# Altium PCB PrintNC_GRBLHAL_Breakout.pcbdoc (part 5 of 9)
Units mm, origin at the board's own origin, x right, y up, seen from the top; angles counter-clockwise.
Board outline 100 x 100 mm, 4 copper layers (Top Layer, GND, PWR, Bottom Layer), stack 0.603 mm thick; 296 components, 213 nets, 5829 pads, 410 vias.
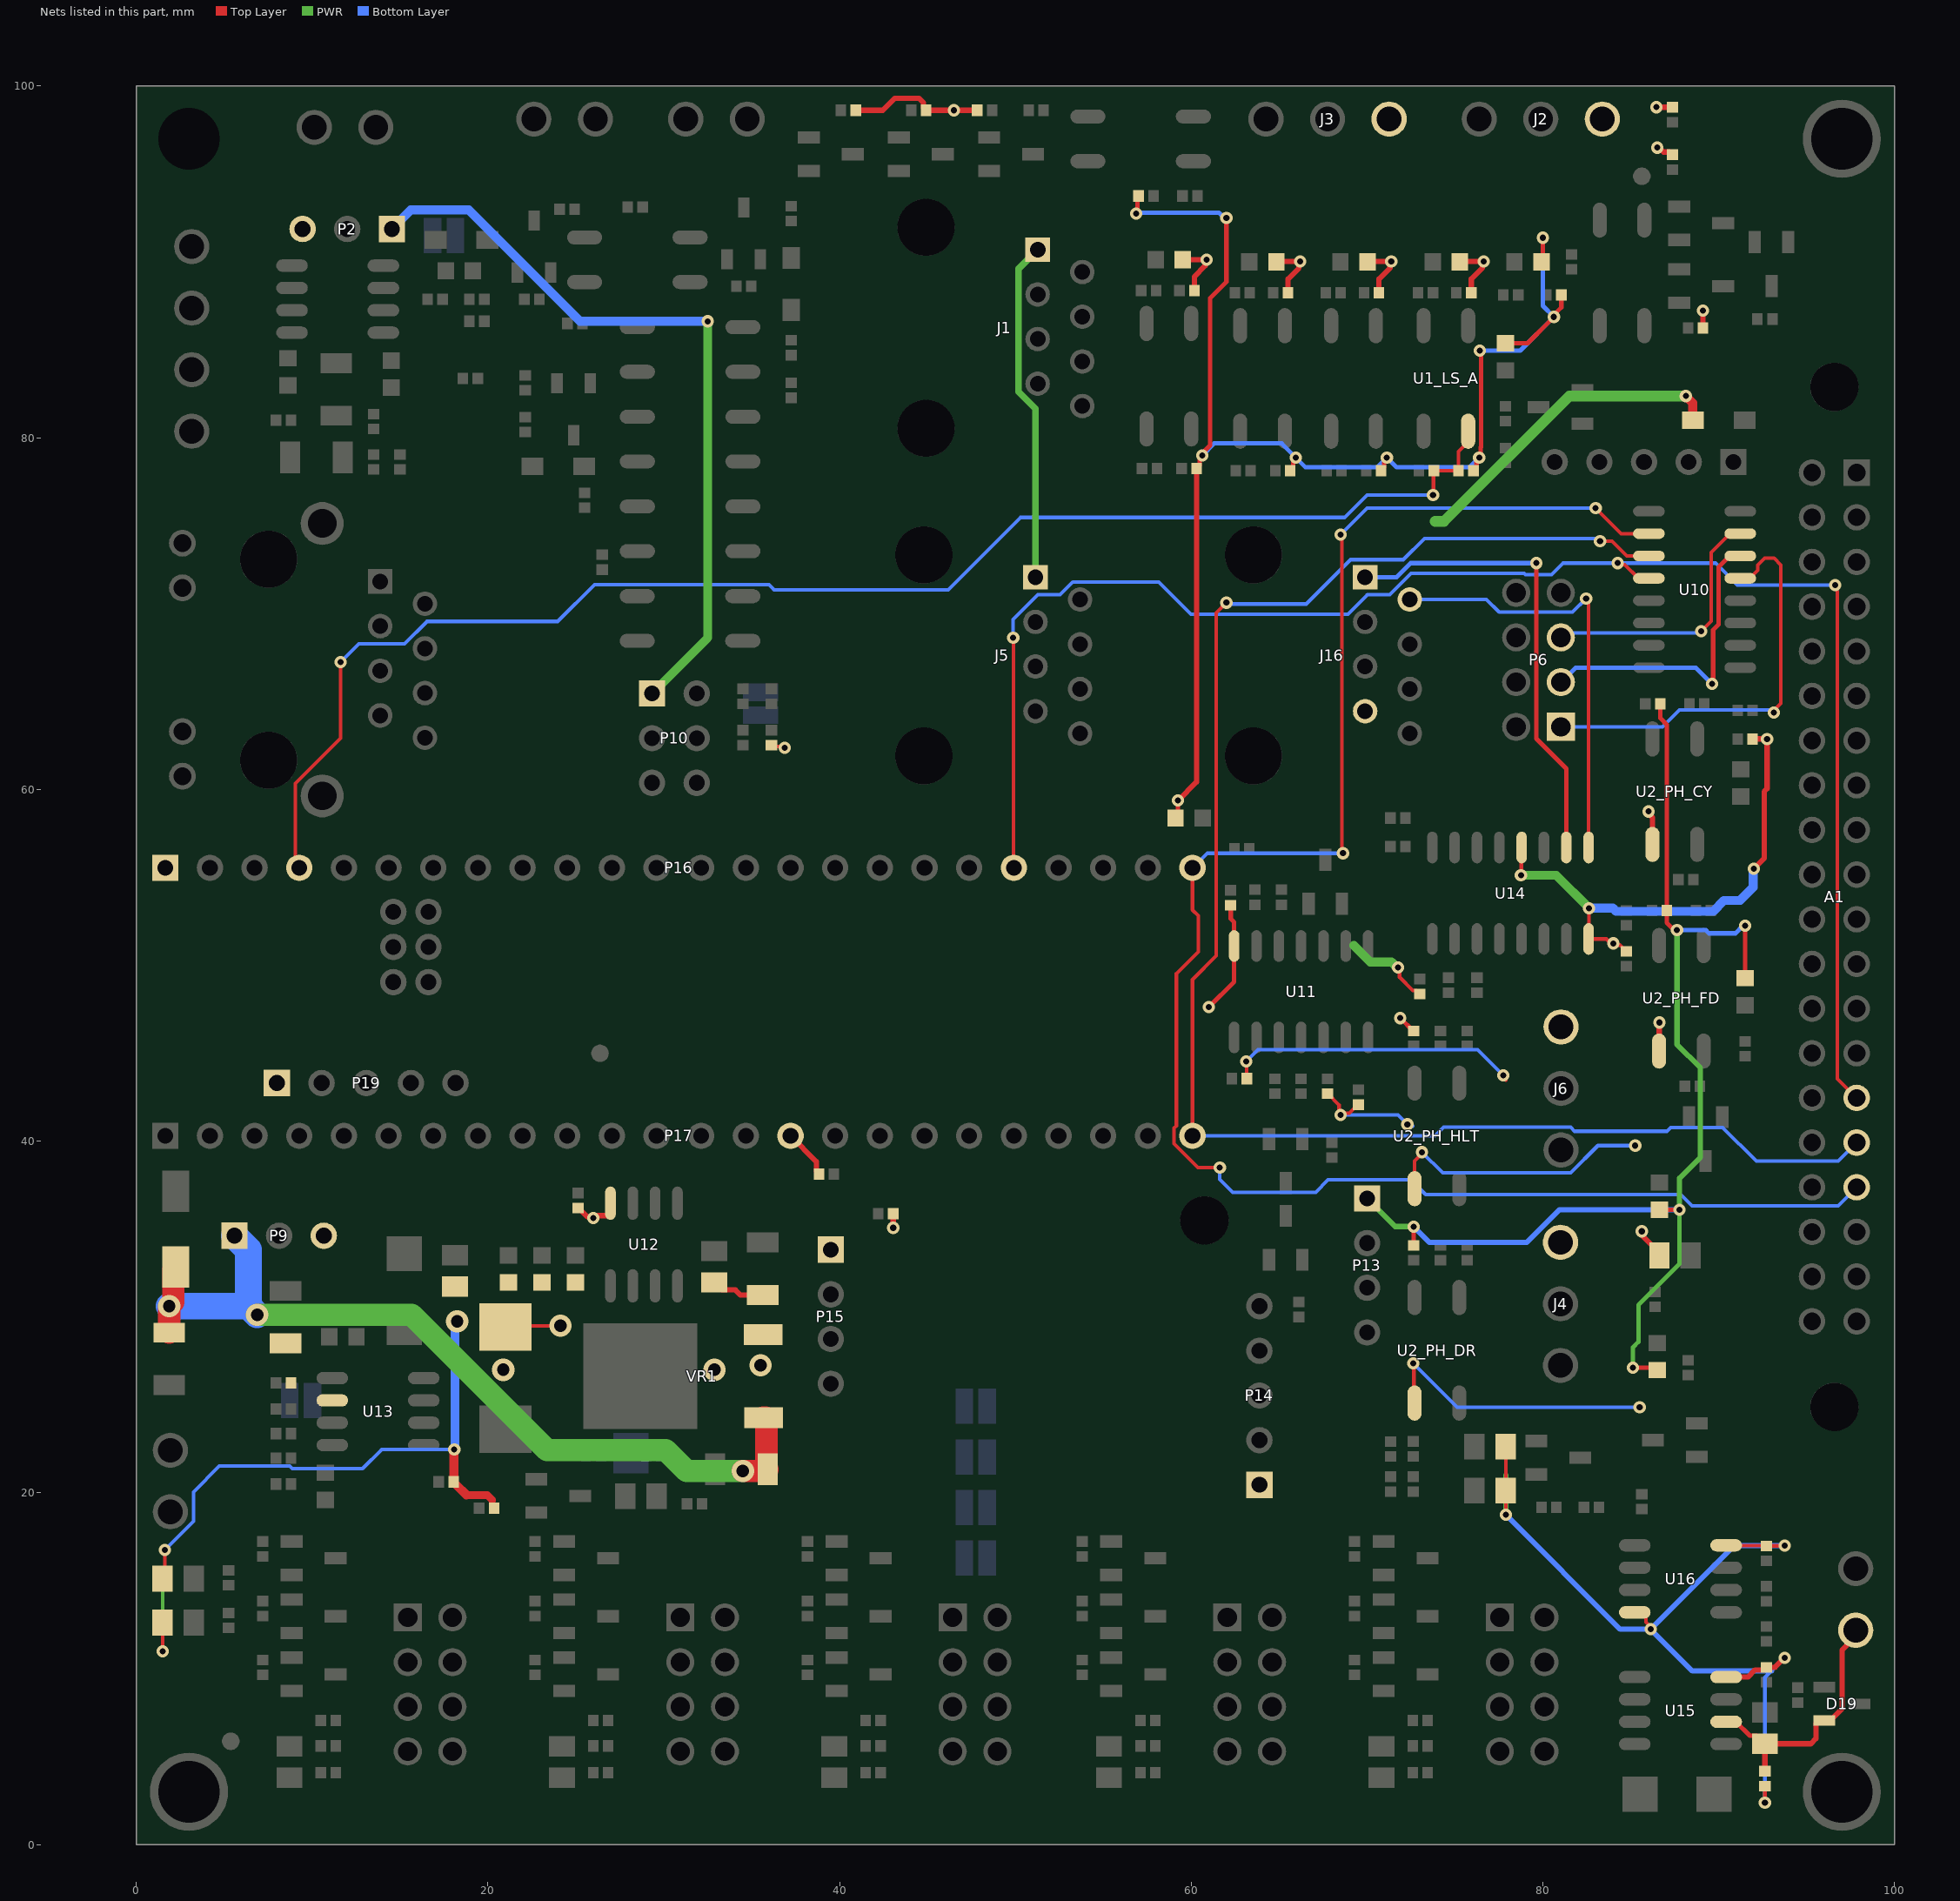
[diagram p7: the nets of this part, all layers, seen from the top]

## Footprints (in the part's own frame and the unit in brackets; to place one, negate y for a bottom-side part, rotate by r counter-clockwise, add the part's x,y. Pads: shape width x height; smd on the part's side, far side on the other; paste and mask are expansions set on the pad) (continued)
Expatria-Logo [mil] "Expatria DXF logo" (continued)
  round 1.64 on Mech4: 1_4250(-44451.82,43404.61) 1_4251(-44450.91,43405.48) 1_4252(-44453.15,43404.61) 1_4253(-44451.82,43404.61) 1_4254(-44454.93,43403.25) 1_4255(-44453.15,43404.61) 1_4256(-44456.71,43403.25) 1_4257(-44454.93,43403.25) 1_4258(-44471.49,43398.32) 1_4259(-44456.71,43403.25) 1_4260(-44473.28,43398.32) 1_4261(-44471.49,43398.32) 1_4262(-44481.31,43395.21) 1_4263(-44473.28,43398.32) 1_4264(-44506.82,43388.95) 1_4265(-44481.31,43395.21) 1_4266(-44509.51,43388.95) 1_4267(-44506.82,43388.95) 1_4268(-44517.55,43386.72) 1_4269(-44509.51,43388.95) 1_4270(-44520.24,43386.72) 1_4271(-44517.55,43386.72) 1_4272(-44525.62,43384.9) 1_4273(-44520.24,43386.72) 1_4274(-44530.97,43384.9) 1_4275(-44525.62,43384.9) 1_4276(-44539.04,43383.12) 1_4277(-44530.97,43384.9) 1_4278(-44551.55,43381.34) 1_4279(-44539.04,43383.12) 1_4280(-44556.93,43381.34) 1_4281(-44551.55,43381.34) 1_4282(-44572.14,43379.55) 1_4283(-44556.93,43381.34) 1_4284(-44577.06,43379.55) 1_4285(-44572.14,43379.55) 1_4286(-44577.06,43379.55) 1_4287(-44566.75,43378.64) 1_4288(-44589.12,43426.07) 1_4289(-44575.25,43426.97) 1_4290(-44575.25,43426.97) 1_4291(-44566.3,43428.3) 1_4292(-44566.3,43428.3) 1_4293(-44557.81,43428.76) 1_4294(-44557.81,43428.76) 1_4295(-44554.24,43429.63) 1_4296(-44554.24,43429.63) 1_4297(-44548.41,43430.08) 1_4298(-44548.41,43430.08) 1_4299(-44543.52,43431.45) 1_4300(-44543.52,43431.45) 1_4301(-44536.35,43432.32) 1_4302(-44536.35,43432.32) 1_4303(-44526.04,43435.01) 1_4304(-44526.04,43435.01) 1_4305(-44522.93,43435.47) 1_4306(-44522.93,43435.47) 1_4307(-44521.57,43436.34) 1_4308(-44521.57,43436.34) 1_4309(-44513.99,43437.7) 1_4310(-44513.99,43437.7) 1_4311(-44512.62,43438.58) 1_4312(-44512.62,43438.58) 1_4313(-44508.15,43439.48) 1_4314(-44508.15,43439.48) 1_4315(-44505.92,43440.81) 1_4316(-44505.92,43440.81) 1_4317(-44501.02,43441.72) 1_4318(-44501.02,43441.72) 1_4319(-44491.62,43445.28) 1_4320(-44491.62,43445.28) 1_4321(-44484,43447.52) 1_4322(-44484,43447.52) 1_4323(-44481.77,43448.89) 1_4324(-44481.77,43448.89) 1_4325(-44475.51,43450.67) 1_4326(-44475.51,43450.67) 1_4327(-44472.37,43452.45) 1_4328(-44472.37,43452.45) 1_4329(-44462.09,43455.59) 1_4330(-44462.09,43455.59) 1_4331(-44458.95,43457.38) 1_4332(-44458.95,43457.38) 1_4333(-44456.71,43457.83) 1_4334(-44456.71,43457.83) 1_4335(-44454.48,43459.16) 1_4336(-44454.48,43459.16) 1_4337(-44446.89,43461.39) 1_4338(-44446.89,43461.39) 1_4339(-44444.66,43462.76) 1_4340(-44444.66,43462.76) 1_4341(-44442.42,43463.18) 1_4342(-44442.42,43463.18) 1_4343(-44441.51,43464.09) 1_4344(-44441.51,43464.09) 1_4345(-44439.27,43464.54) 1_4346(-44439.27,43464.54) 1_4347(-44433.47,43467.65) 1_4348(-44433.47,43467.65) 1_4349(-44429.87,43468.56) 1_4350(-44429.87,43468.56) 1_4351(-44426.31,43470.8) 1_4352(-44426.31,43470.8) 1_4353(-44424.07,43471.25) 1_4354(-44424.07,43471.25) 1_4355(-44419.6,43473.94) 1_4356(-44419.6,43473.94) 1_4357(-44417.36,43474.36) 1_4358(-44417.36,43474.36) 1_4359(-44415.13,43475.72) 1_4360(-44415.13,43475.72) 1_4361(-44412.89,43476.18) 1_4362(-44412.89,43476.18) 1_4363(-44409.33,43478.41) 1_4364(-44409.33,43478.41) 1_4365(-44407.09,43478.83) 1_4366(-44407.09,43478.83) 1_4367(-44396.78,43484.21) 1_4368(-44396.78,43484.21) 1_4369(-44390.07,43487.78) 1_4370(-44390.07,43487.78) 1_4371(-44387.84,43488.23) 1_4372(-44387.84,43488.23) 1_4373(-44374.42,43495.4) 1_4374(-44374.42,43495.4) 1_4375(-44356.07,43504.34) 1_4376(-44356.07,43504.34) 1_4377(-44354.74,43505.67) 1_4378(-44354.74,43505.67) 1_4379(-44353.41,43506.13) 1_4380(-44353.41,43506.13) 1_4381(-44350.27,43508.36) 1_4382(-44350.27,43508.36) 1_4383(-44347.12,43510.14) 1_4384(-44347.12,43510.14) 1_4385(-44337.76,43515.07) 1_4386(-44337.76,43515.07) 1_4387(-44334.61,43516.85) 1_4388(-44334.61,43516.85) 1_4389(-44331.47,43518.67) 1_4390(-44331.47,43518.67) 1_4391(-44328.36,43520.45) 1_4392(-44328.36,43520.45) 1_4393(-44325.21,43522.23) 1_4394(-44325.21,43522.23) 1_4395(-44322.1,43524.02) 1_4396(-44322.1,43524.02) 1_4397(-44318.96,43525.8) 1_4398(-44318.96,43525.8) 1_4399(-44316.72,43526.71) 1_4400(-44316.72,43526.71) 1_4401(-44313.58,43528.94) 1_4402(-44313.58,43528.94) 1_4403(-44312.25,43529.4) 1_4404(-44312.25,43529.4) 1_4405(-44308.68,43532.09) 1_4406(-44308.68,43532.09) 1_4407(-44305.54,43533.87) 1_4408(-44305.54,43533.87) 1_4409(-44303.3,43534.74) 1_4410(-44303.3,43534.74) 1_4411(-44300.16,43536.98) 1_4412(-44300.16,43536.98) 1_4413(-44297.05,43538.34) 1_4414(-44297.05,43538.34) 1_4415(-44295.68,43539.67) 1_4416(-44295.68,43539.67) 1_4417(-44294.36,43540.13) 1_4418(-44294.36,43540.13) 1_4419(-44293.03,43541.45) 1_4420(-44293.03,43541.45) 1_4421(-44291.67,43541.91) 1_4422(-44291.67,43541.91) 1_4423(-44290.34,43543.27) 1_4424(-44290.34,43543.27) 1_4425(-44288.97,43543.69) 1_4426(-44288.97,43543.69) 1_4427(-44287.65,43545.05) 1_4428(-44287.65,43545.05) 1_4429(-44286.32,43545.51) 1_4430(-44286.32,43545.51) 1_4431(-44282.72,43548.16) 1_4432(-44282.72,43548.16) 1_4433(-44281.39,43548.62) 1_4434(-44281.39,43548.62) 1_4435(-44278.25,43550.85) 1_4436(-44278.25,43550.85) 1_4437(-44276.92,43551.31) 1_4438(-44276.92,43551.31) 1_4439(-44273.77,43553.55) 1_4440(-44273.77,43553.55) 1_4441(-44272.45,43554) 1_4442(-44272.45,43554) 1_4443(-44271.08,43555.33) 1_4444(-44271.08,43555.33) 1_4445(-44269.76,43555.78) 1_4446(-44269.76,43555.78) 1_4447(-44268.43,43557.11) 1_4448(-44268.43,43557.11) 1_4449(-44267.07,43557.56) 1_4450(-44267.07,43557.56) 1_4451(-44265.74,43558.93) 1_4452(-44265.74,43558.93) 1_4453(-44264.37,43559.35) 1_4454(-44264.37,43559.35) 1_4455(-44263.05,43560.71) 1_4456(-44263.05,43560.71) 1_4457(-44261.72,43561.16) 1_4458(-44261.72,43561.16) 1_4459(-44260.36,43562.49) 1_4460(-44260.36,43562.49) 1_4461(-44256.79,43564.73) 1_4462(-44256.79,43564.73) 1_4463(-44255.43,43565.18) 1_4464(-44255.43,43565.18) 1_4465(-44255.01,43566.51) 1_4466(-44259.9,43567.87) 1_4467(-44255.01,43566.51) 1_4468(-44263.05,43568.29) 1_4469(-44259.9,43567.87) 1_4470(-44267.97,43570.11) 1_4471(-44263.05,43568.29) 1_4472(-44272.9,43570.98) 1_4473(-44267.97,43570.11) 1_4474(-44279.61,43573.22) 1_4475(-44272.9,43570.98) 1_4476(-44286.32,43574.58) 1_4477(-44279.61,43573.22) 1_4478(-44289.43,43575.91) 1_4479(-44286.32,43574.58) 1_4480(-44294.36,43576.82) 1_4481(-44289.43,43575.91) 1_4482(-44299.29,43578.6) 1_4483(-44294.36,43576.82) 1_4484(-44305.54,43579.47) 1_4485(-44299.29,43578.6) 1_4486(-44308.68,43580.84) 1_4487(-44305.54,43579.47) 1_4488(-44312.7,43581.29) 1_4489(-44308.68,43580.84) 1_4490(-44315.81,43582.62) 1_4491(-44312.7,43581.29) 1_4492(-44325.21,43584.86) 1_4493(-44315.81,43582.62) 1_4494(-44331.92,43586.18) 1_4495(-44325.21,43584.86) 1_4496(-44338.63,43588.42) 1_4497(-44331.92,43586.18) 1_4498(-44351.6,43590.66) 1_4499(-44338.63,43588.42) 1_4500(-44354.74,43592.02) 1_4501(-44351.6,43590.66) 1_4502(-44364.6,43594.26) 1_4503(-44354.74,43592.02) 1_4504(-44377.11,43596.49) 1_4505(-44364.6,43594.26) 1_4506(-44380.25,43597.82) 1_4507(-44377.11,43596.49) 1_4508(-44387.38,43599.6) 1_4509(-44380.25,43597.82) 1_4510(-44395.91,43600.51) 1_4511(-44387.38,43599.6) 1_4512(-44401.71,43602.29) 1_4513(-44395.91,43600.51) 1_4514(-44407.96,43603.2) 1_4515(-44401.71,43602.29) 1_4516(-44414.22,43604.98) 1_4517(-44407.96,43603.2) 1_4518(-44420.06,43605.44) 1_4519(-44414.22,43604.98) 1_4520(-44426.31,43607.22) 1_4521(-44420.06,43605.44) 1_4522(-44432.11,43607.68) 1_4523(-44426.31,43607.22) 1_4524(-44433.93,43608.55) 1_4525(-44432.11,43607.68) 1_4526(-44443.75,43610.37) 1_4527(-44433.93,43608.55) 1_4528(-44449.58,43610.79) 1_4529(-44443.75,43610.37) 1_4530(-44454.93,43612.15) 1_4531(-44449.58,43610.79) 1_4532(-44460.77,43612.6) 1_4533(-44454.93,43612.15) 1_4534(-44464.79,43613.93) 1_4535(-44460.77,43612.6) 1_4536(-44471.95,43614.39) 1_4537(-44464.79,43613.93) 1_4538(-44483.13,43616.62) 1_4539(-44471.95,43614.39) 1_4540(-44488.02,43617.08) 1_4541(-44483.13,43616.62) 1_4542(-44490.26,43617.95) 1_4543(-44488.02,43617.08) 1_4544(-44525.62,43622.88) 1_4545(-44490.26,43617.95) 1_4546(-44534.99,43623.33) 1_4547(-44525.62,43622.88) 1_4548(-44539.46,43624.21) 1_4549(-44534.99,43623.33) 1_4550(-44564.06,43626.02) 1_4551(-44539.46,43624.21) 1_4552(-44599.43,43625.57) 1_4553(-44564.06,43626.02) 1_4554(-44608.38,43625.57) 1_4555(-44599.43,43625.57) 1_4556(-44617.32,43624.21) 1_4557(-44608.38,43625.57) 1_4558(-44621.79,43624.21) 1_4559(-44617.32,43624.21) 1_4560(-44625.81,43623.33) 1_4561(-44621.79,43624.21) 1_4562(-44630.29,43623.33) 1_4563(-44625.81,43623.33) 1_4564(-44634.31,43622.42) 1_4565(-44630.29,43623.33) 1_4566(-44636.54,43622.42) 1_4567(-44634.31,43622.42) 1_4568(-44638.32,43621.55) 1_4569(-44636.54,43622.42) 1_4570(-44640.56,43621.55) 1_4571(-44638.32,43621.55) 1_4572(-44642.34,43620.64) 1_4573(-44640.56,43621.55) 1_4574(-44644.58,43620.64) 1_4575(-44642.34,43620.64) 1_4576(-44646.4,43619.73) 1_4577(-44644.58,43620.64) 1_4578(-44649.05,43619.73) 1_4579(-44646.4,43619.73) 1_4580(-44650.87,43618.86) 1_4581(-44649.05,43619.73) 1_4582(-44653.1,43618.86) 1_4583(-44650.87,43618.86) 1_4584(-44654.43,43617.95) 1_4585(-44653.1,43618.86) 1_4586(-44656.67,43617.95) 1_4587(-44654.43,43617.95) 1_4588(-44660.69,43616.62) 1_4589(-44656.67,43617.95) 1_4590(-44663.83,43615.71) 1_4591(-44660.69,43616.62) 1_4592(-44665.16,43615.71) 1_4593(-44663.83,43615.71) 1_4594(-44666.07,43614.84) 1_4595(-44665.16,43615.71) 1_4596(-44667.85,43614.84) 1_4597(-44666.07,43614.84) 1_4598(-44670.54,43613.48) 1_4599(-44667.85,43614.84) 1_4600(-44671.87,43613.48) 1_4601(-44670.54,43613.48) 1_4602(-44675.47,43611.69) 1_4603(-44671.87,43613.48) 1_4604(-44676.8,43611.69) 1_4605(-44675.47,43611.69) 1_4606(-44679.03,43610.37) 1_4607(-44676.8,43611.69) 1_4608(-44680.36,43610.37) 1_4609(-44679.03,43610.37) 1_4610(-44681.27,43609.46) 1_4611(-44680.36,43610.37) 1_4612(-44682.6,43609.46) 1_4613(-44681.27,43609.46) 1_4614(-44684.42,43608.13) 1_4615(-44682.6,43609.46) 1_4616(-44685.74,43608.13) 1_4617(-44684.42,43608.13) 1_4618(-44700.94,43600.06) 1_4619(-44685.74,43608.13) 1_4620(-44701.85,43600.06) 1_4621(-44700.94,43600.06) 1_4622(-44703.18,43598.73) 1_4623(-44701.85,43600.06) 1_4624(-44704.09,43598.73) 1_4625(-44703.18,43598.73) 1_4626(-44704.55,43597.82) 1_4627(-44704.09,43598.73) 1_4628(-44705.42,43597.82) 1_4629(-44704.55,43597.82) 1_4630(-44705.87,43596.95) 1_4631(-44705.42,43597.82) 1_4632(-44706.78,43596.95) 1_4633(-44705.87,43596.95) 1_4634(-44707.2,43596.04) 1_4635(-44706.78,43596.95) 1_4636(-44708.11,43596.04) 1_4637(-44707.2,43596.04) 1_4638(-44708.56,43595.13) 1_4639(-44708.11,43596.04) 1_4640(-44709.44,43595.13) 1_4641(-44708.56,43595.13) 1_4642(-44709.89,43594.26) 1_4643(-44709.44,43595.13) 1_4644(-44710.8,43594.26) 1_4645(-44709.89,43594.26) 1_4646(-44711.67,43592.89) 1_4647(-44710.8,43594.26) 1_4648(-44712.58,43592.89) 1_4649(-44711.67,43592.89) 1_4650(-44713.04,43592.02) 1_4651(-44712.58,43592.89) 1_4652(-44713.91,43592.02) 1_4653(-44713.04,43592.02) 1_4654(-44714.82,43590.66) 1_4655(-44713.91,43592.02) 1_4656(-44715.73,43590.66) 1_4657(-44714.82,43590.66) 1_4658(-44716.15,43589.78) 1_4659(-44715.73,43590.66) 1_4660(-44717.05,43589.78) 1_4661(-44716.15,43589.78) 1_4662(-44717.96,43588.42) 1_4663(-44717.05,43589.78) 1_4664(-44718.84,43588.42) 1_4665(-44717.96,43588.42) 1_4666(-44719.29,43587.55) 1_4667(-44718.84,43588.42) 1_4668(-44720.2,43587.55) 1_4669(-44719.29,43587.55) 1_4670(-44721.07,43586.18) 1_4671(-44720.2,43587.55) 1_4672(-44721.98,43586.18) 1_4673(-44721.07,43586.18) 1_4674(-44723.76,43583.95) 1_4675(-44721.98,43586.18) 1_4676(-44724.67,43583.95) 1_4677(-44723.76,43583.95) 1_4678(-44726.91,43581.29) 1_4679(-44724.67,43583.95) 1_4680(-44727.78,43581.29) 1_4681(-44726.91,43581.29) 1_4682(-44729.57,43579.06) 1_4683(-44727.78,43581.29) 1_4684(-44730.47,43579.06) 1_4685(-44729.57,43579.06) 1_4686(-44742.11,43566.97) 1_4687(-44730.47,43579.06) 1_4688(-44742.56,43566.97) 1_4689(-44742.11,43566.97) 1_4690(-44742.98,43565.64) 1_4691(-44742.56,43566.97) 1_4692(-44747.46,43561.16) 1_4693(-44742.98,43565.64) 1_4694(-44747.91,43561.16) 1_4695(-44747.46,43561.16) 1_4696(-44748.36,43559.8) 1_4697(-44747.91,43561.16) 1_4698(-44750.15,43558.02) 1_4699(-44748.36,43559.8) 1_4700(-44750.6,43558.02) 1_4701(-44750.15,43558.02) 1_4702(-44751.06,43556.69) 1_4703(-44750.6,43558.02) 1_4704(-44752.38,43555.33) 1_4705(-44751.06,43556.69) 1_4706(-44752.84,43555.33) 1_4707(-44752.38,43555.33) 1_4708(-44753.75,43553.55) 1_4709(-44752.84,43555.33) 1_4710(-44754.17,43553.55) 1_4711(-44753.75,43553.55) 1_4712(-44754.62,43552.22) 1_4713(-44754.17,43553.55) 1_4714(-44755.07,43552.22) 1_4715(-44754.62,43552.22) 1_4716(-44755.98,43550.4) 1_4717(-44755.07,43552.22) 1_4718(-44756.4,43550.4) 1_4719(-44755.98,43550.4) 1_4720(-44756.86,43549.07) 1_4721(-44756.4,43550.4) 1_4722(-44757.31,43549.07) 1_4723(-44756.86,43549.07) 1_4724(-44758.22,43547.29) 1_4725(-44757.31,43549.07) 1_4726(-44758.64,43547.29) 1_4727(-44758.22,43547.29) 1_4728(-44759.09,43545.93) 1_4729(-44758.64,43547.29) 1_4730(-44759.55,43545.93) 1_4731(-44759.09,43545.93) 1_4732(-44760.46,43544.15) 1_4733(-44759.55,43545.93) 1_4734(-44760.88,43544.15) 1_4735(-44760.46,43544.15) 1_4736(-44761.33,43542.82) 1_4737(-44760.88,43544.15) 1_4738(-44761.78,43542.82) 1_4739(-44761.33,43542.82) 1_4740(-44762.69,43541.04) 1_4741(-44761.78,43542.82) 1_4742(-44763.11,43541.04) 1_4743(-44762.69,43541.04) 1_4744(-44764.93,43537.89) 1_4745(-44763.11,43541.04) 1_4746(-44765.35,43537.89) 1_4747(-44764.93,43537.89) 1_4748(-44765.8,43536.56) 1_4749(-44765.35,43537.89) 1_4750(-44766.26,43536.56) 1_4751(-44765.8,43536.56) 1_4752(-44766.71,43535.2) 1_4753(-44766.26,43536.56) 1_4754(-44767.17,43535.2) 1_4755(-44766.71,43535.2) 1_4756(-44767.59,43533.87) 1_4757(-44767.17,43535.2) 1_4758(-44768.04,43533.87) 1_4759(-44767.59,43533.87) 1_4760(-44768.49,43532.51) 1_4761(-44768.04,43533.87) 1_4762(-44768.95,43532.51) 1_4763(-44768.49,43532.51) 1_4764(-44769.4,43531.18) 1_4765(-44768.95,43532.51) 1_4766(-44769.82,43531.18) 1_4767(-44769.4,43531.18) 1_4768(-44770.73,43528.94) 1_4769(-44769.82,43531.18) 1_4770(-44771.18,43528.94) 1_4771(-44770.73,43528.94) 1_4772(-44772.06,43526.71) 1_4773(-44771.18,43528.94) 1_4774(-44772.51,43526.71) 1_4775(-44772.06,43526.71) 1_4776(-44773.42,43524.47) 1_4777(-44772.51,43526.71) 1_4778(-44773.88,43524.47) 1_4779(-44773.42,43524.47) 1_4780(-44774.75,43522.23) 1_4781(-44773.88,43524.47) 1_4782(-44775.2,43522.23) 1_4783(-44774.75,43522.23) 1_4784(-44776.53,43519.09) 1_4785(-44775.2,43522.23) 1_4786(-44776.99,43519.09) 1_4787(-44776.53,43519.09) 1_4788(-44777.89,43516.85) 1_4789(-44776.99,43519.09) 1_4790(-44778.35,43516.85) 1_4791(-44777.89,43516.85) 1_4792(-44778.35,43516.85) 1_4793(-44776.11,43514.62) 1_4794(-44776.11,43514.62) 1_4795(-44775.66,43513.29) 1_4796(-44775.66,43513.29) 1_4797(-44773.88,43511.96) 1_4798(-44773.88,43511.96) 1_4799(-44773.42,43510.6) 1_4800(-44773.42,43510.6) 1_4801(-44771.64,43509.27) 1_4802(-44771.64,43509.27) 1_4803(-44771.18,43507.91) 1_4804(-44771.18,43507.91) 1_4805(-44768.95,43506.13) 1_4806(-44768.95,43506.13) 1_4807(-44768.49,43504.8) 1_4808(-44768.49,43504.8) 1_4809(-44756.4,43493.16) 1_4810(-44756.4,43493.16) 1_4811(-44755.98,43491.83) 1_4812(-44755.98,43491.83) 1_4813(-44753.75,43489.6) 1_4814(-44753.75,43489.6) 1_4815(-44752.38,43489.14) 1_4816(-44752.38,43489.14) 1_4817(-44751.06,43487.36) 1_4818(-44751.06,43487.36) 1_4819(-44749.69,43486.91) 1_4820(-44749.69,43486.91) 1_4821(-44745.22,43481.98) 1_4822(-44745.22,43481.98) 1_4823(-44743.89,43481.52) 1_4824(-44743.89,43481.52) 1_4825(-44742.56,43479.74) 1_4826(-44742.56,43479.74) 1_4827(-44741.2,43479.29) 1_4828(-44741.2,43479.29) 1_4829(-44739.42,43477.05) 1_4830(-44739.42,43477.05) 1_4831(-44738.09,43476.59) 1_4832(-44738.09,43476.59) 1_4833(-44735.4,43473.94) 1_4834(-44735.4,43473.94) 1_4835(-44734.04,43473.49) 1_4836(-44734.04,43473.49) 1_4837(-44733.62,43472.58) 1_4838(-44733.62,43472.58) 1_4839(-44732.25,43472.12) 1_4840(-44732.25,43472.12) 1_4841(-44729.57,43469.47) 1_4842(-44729.57,43469.47) 1_4843(-44728.24,43469.01) 1_4844(-44728.24,43469.01) 1_4845(-44726.45,43467.23) 1_4846(-44726.45,43467.23) 1_4847(-44725.09,43466.78) 1_4848(-44725.09,43466.78) 1_4849(-44723.31,43464.99) 1_4850(-44723.31,43464.99) 1_4851(-44721.98,43464.54) 1_4852(-44721.98,43464.54) 1_4853(-44720.2,43462.76) 1_4854(-44720.2,43462.76) 1_4855(-44718.84,43462.3) 1_4856(-44718.84,43462.3) 1_4857(-44718.38,43461.39) 1_4858(-44718.38,43461.39) 1_4859(-44715.27,43460.07) 1_4860(-44715.27,43460.07) 1_4861(-44713.91,43458.7) 1_4862(-44713.91,43458.7) 1_4863(-44712.58,43458.28) 1_4864(-44712.58,43458.28) 1_4865(-44712.13,43457.38) 1_4866(-44712.13,43457.38) 1_4867(-44709.02,43455.59) 1_4868(-44709.02,43455.59) 1_4869(-44706.78,43454.69) 1_4870(-44706.78,43454.69) 1_4871(-44705.42,43453.36) 1_4872(-44705.42,43453.36) 1_4873(-44702.31,43451.58) 1_4874(-44702.31,43451.58) 1_4875(-44699.16,43449.76) 1_4876(-44699.16,43449.76) 1_4877(-44696.93,43449.34) 1_4878(-44696.93,43449.34) 1_4879(-44688.89,43444.87) 1_4880(-44688.89,43444.87) 1_4881(-44686.65,43444.41) 1_4882(-44686.65,43444.41) 1_4883(-44685.74,43443.5) 1_4884(-44685.74,43443.5) 1_4885(-44682.18,43442.63) 1_4886(-44682.18,43442.63) 1_4887(-44678.58,43440.81) 1_4888(-44678.58,43440.81) 1_4889(-44671,43438.58) 1_4890(-44671,43438.58) 1_4891(-44667.4,43436.79) 1_4892(-44667.4,43436.79) 1_4893(-44662.92,43435.92) 1_4894(-44662.92,43435.92) 1_4895(-44660.23,43434.56) 1_4896(-44660.23,43434.56) 1_4897(-44653.1,43432.78) 1_4898(-44653.1,43432.78) 1_4899(-44649.05,43432.32) 1_4900(-44649.05,43432.32) 1_4901(-44645.03,43430.99) 1_4902(-44645.03,43430.99) 1_4903(-44639.23,43430.54) 1_4904(-44639.23,43430.54) 1_4905(-44636.99,43429.63) 1_4906(-44636.99,43429.63) 1_4907(-44631.16,43429.21) 1_4908(-44631.16,43429.21) 1_4909(-44628.92,43428.3) 1_4910(-44628.92,43428.3) 1_4911(-44623.12,43427.39) 1_4912(-44623.12,43427.39) 1_4913(-44610.61,43426.52) 1_4914(-44610.61,43426.52) 1_4915(-44589.12,43426.07)
Fiducial10-20 [mm]
  round 1 smd mask+0.5: 1(0,0)
  Top Layer keep-out circle w1.178: c0,0 r0.5
FP-5555799-1-MFG#1 [mm]
  rect 1.39x1.39 hole 0.89 paste-1000 mask+0: 1(-4.445,4.64)
  round 1.39 hole 0.89 paste-1000 mask+0: 2(-3.175,7.18) 3(-1.905,4.64) 4(-0.635,7.18) 5(0.635,4.64) 6(1.905,7.18) 7(3.175,4.64) 8(4.445,7.18)
  round 3.25 hole 3.25 unplated paste-1000 mask+0: _1(5.715,-1.71) ""(-5.715,-1.71)
  silkscreen extent -7.88,-8.32 7.88,8.96, body extent -7.98,-8.42 7.98,8.42, height 0.25
FP-5555799-1-MFG#2 [mm]
  rect 1.39x1.39 hole 0.89 paste-1000 mask+0: 1(-4.445,4.64)
  round 1.39 hole 0.89 paste-1000 mask+0: 2(-3.175,7.18) 3(-1.905,4.64) 4(-0.635,7.18) 5(0.635,4.64) 6(1.905,7.18) 7(3.175,4.64) 8(4.445,7.18)
  round 3.25 hole 3.25 unplated paste-1000 mask+0: _1(-5.715,-1.71) ""(5.715,-1.71)
  silkscreen extent -7.88,-8.32 7.88,8.97, body extent -7.98,-8.42 7.98,8.42, height 0.25
HANRUN_HR911105A [mm]
  rect 1.398x1.398 hole 0.89: 1(4.45,-6.35)
  round 1.398 hole 0.89: 2(3.18,-8.89) 3(1.91,-6.35) 4(0.64,-8.89) 5(-0.63,-6.35) 6(-1.9,-8.89) 7(-3.17,-6.35) 8(-4.44,-8.89)
  round 1.53 hole 1.02: 9(6.625,4.9) 10(4.085,4.9) 11(-4.085,4.9) 12(-6.625,4.9)
  round 2.445 hole 1.63: 15(7.745,-3.05) 16(-7.745,-3.05)
  round 3.25 hole 3.25 unplated: _1(5.715,0) ""(-5.715,0)
  silkscreen extent -8,-10.48 9.15,10.92
HDR1X3 [mm] "Connector; Header; 3 Position"
  rect 1.5x1.5 hole 0.9: 1(0,0)
  round 1.5 hole 0.9: 2(2.54,0) 3(5.08,0)
  silkscreen extent -1.27,-1.27 6.35,1.27
HDR1X4 [mm] "Connector; Header; 4 Position"
  rect 1.5x1.5 hole 0.9: 1(0,0)
  round 1.5 hole 0.9: 2(2.54,0) 3(5.08,0) 4(7.62,0)
  silkscreen extent -1.27,-1.27 8.89,1.27
HDR1X5 [mm] "Connector; Header; 5 Position"
  rect 1.5x1.5 hole 0.9: 1(0,0)
  round 1.5 hole 0.9: 2(2.54,0) 3(5.08,0) 4(7.62,0) 5(10.16,0)
  silkscreen extent -1.27,-1.27 11.43,1.27
HDR1X24 [mm] "Connector; Header; 24 Position"
  rect 1.5x1.5 hole 0.9: 1(0,0)
  round 1.5 hole 0.9: 2(2.54,0) 3(5.08,0) 4(7.62,0) 5(10.16,0) 6(12.7,0) 7(15.24,0) 8(17.78,0) 9(20.32,0) 10(22.86,0) 11(25.4,0) 12(27.94,0) 13(30.48,0) 14(33.02,0) 15(35.56,0) 16(38.1,0) 17(40.64,0) 18(43.18,0) 19(45.72,0) 20(48.26,0) 21(50.8,0) 22(53.34,0) 23(55.88,0) 24(58.42,0)